# KiCad board Si5351ABreakout_panel.kicad_pcb (continued)
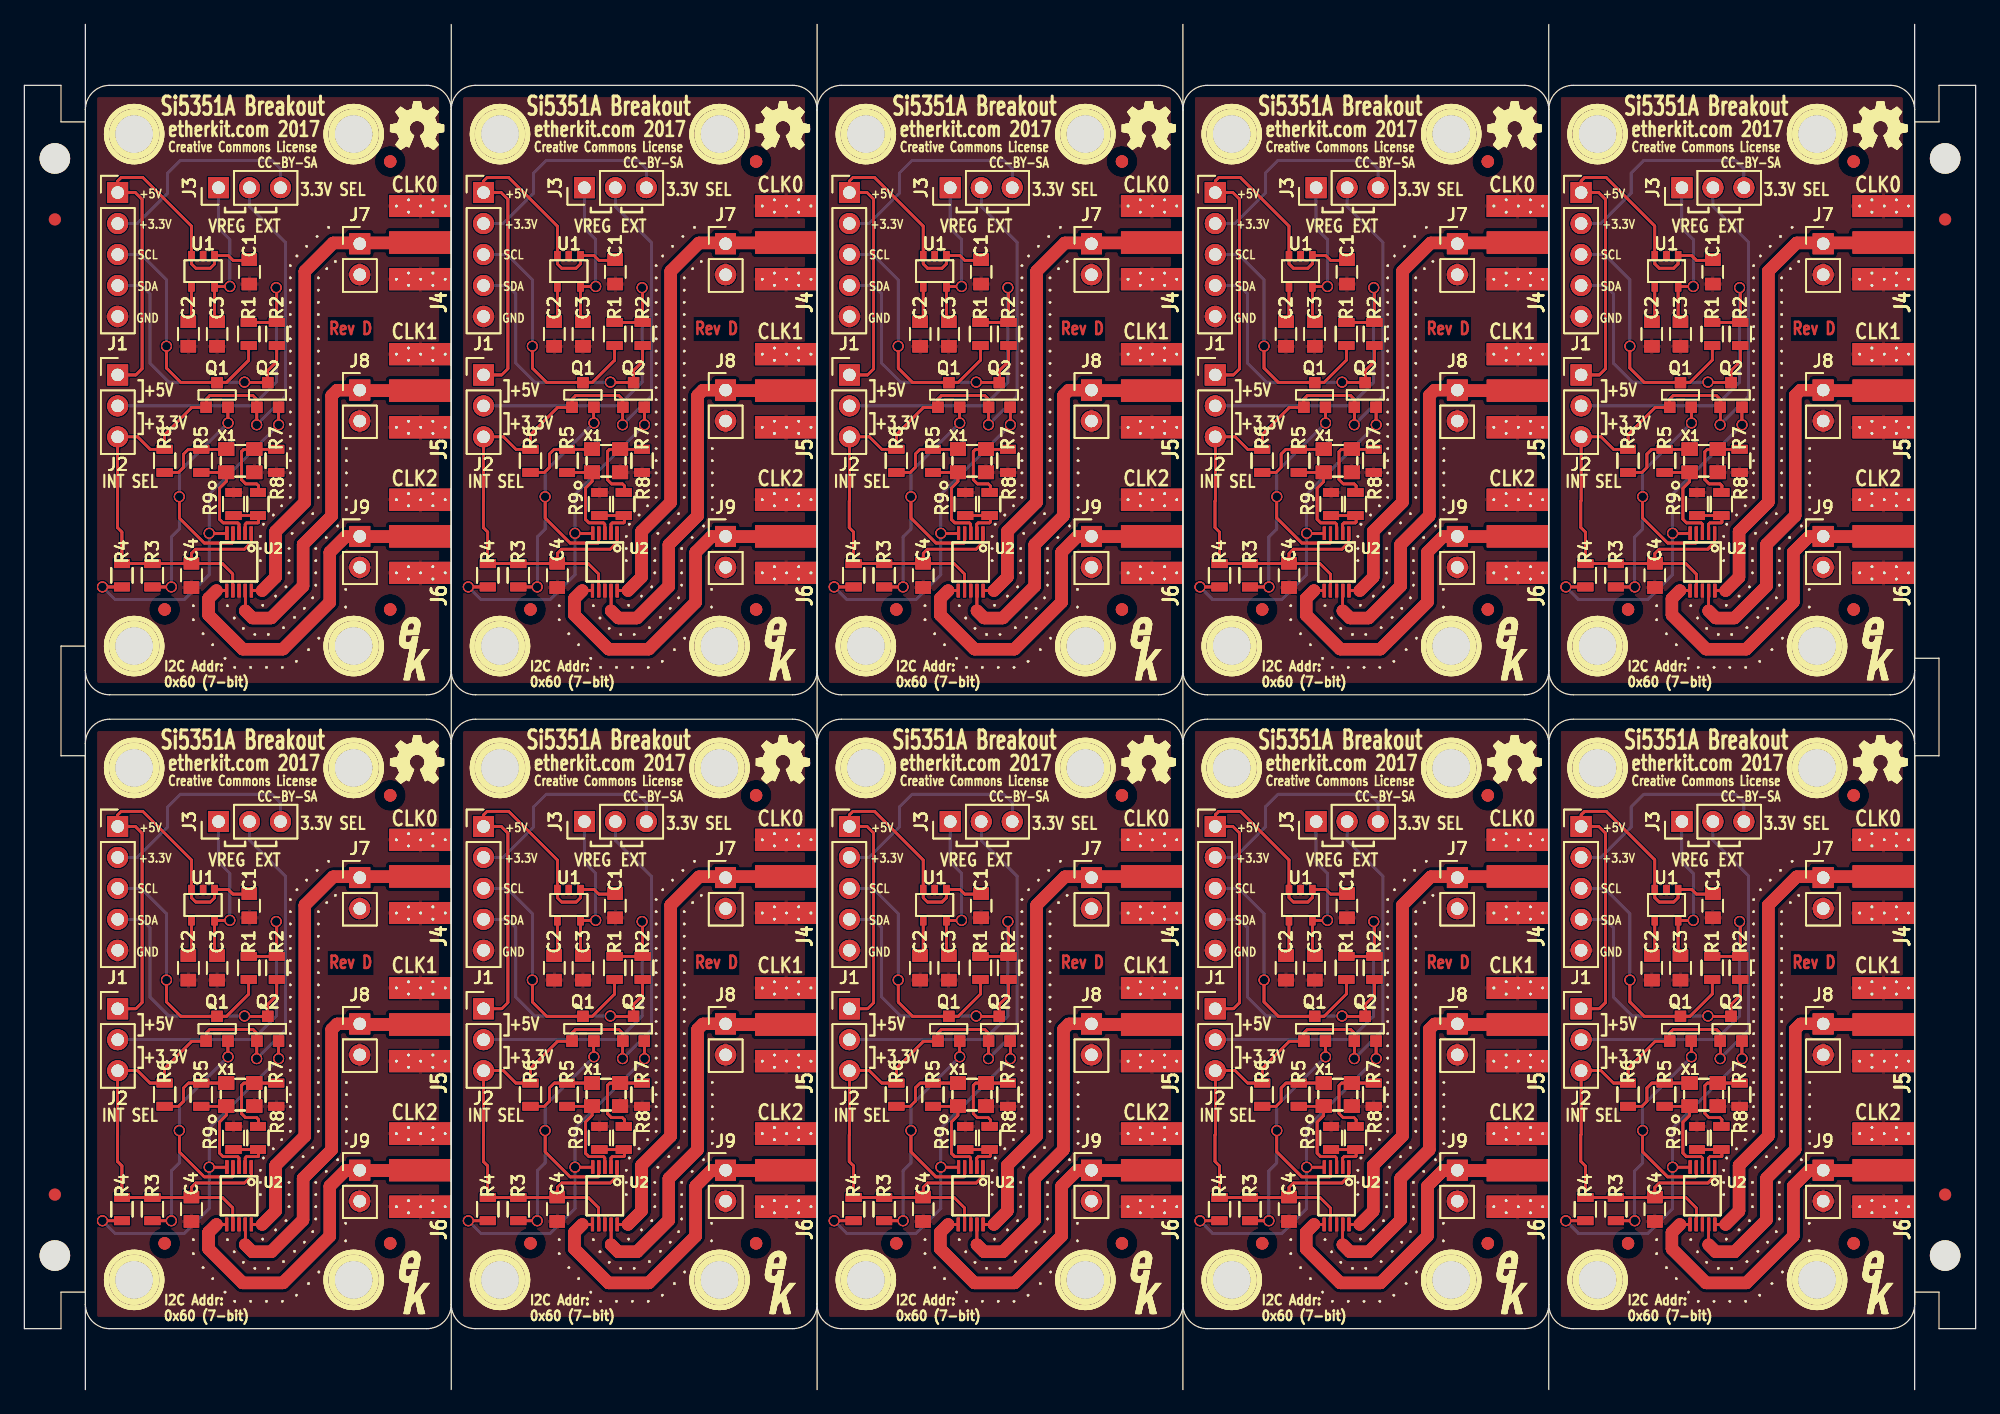
[diagram p0: board, top side]
## Placement (name value [footprint] x y rotation side) (continued)
VIA#3598  VAL**  [VIA]  113.9 15 0 top
VIA#3599  VAL**  [VIA]  112.85 19.1 0 top
VIA#3600  VAL**  [VIA]  112.85 19.1 0 top
VIA#3601  VAL**  [VIA]  112.85 19.1 0 top
VIA#3602  VAL**  [VIA]  113.65 19.85 0 top
VIA#3603  VAL**  [VIA]  113.65 19.85 0 top
VIA#3604  VAL**  [VIA]  113.65 19.85 0 top
VIA#3605  VAL**  [VIA]  112.85 19.1 0 top
VIA#3606  VAL**  [VIA]  113.65 19.85 0 top
VIA#3607  VAL**  [VIA]  113.9 17 0 top
VIA#3608  VAL**  [VIA]  113.9 17 0 top
VIA#3609  VAL**  [VIA]  114.75 17.9 0 top
VIA#3610  VAL**  [VIA]  113.9 17 0 top
VIA#3611  VAL**  [VIA]  114.75 17.9 0 top
VIA#3612  VAL**  [VIA]  114.75 17.9 0 top
VIA#3613  VAL**  [VIA]  114.75 17.9 0 top
VIA#3614  VAL**  [VIA]  113.9 17 0 top
VIA#3615  VAL**  [VIA]  114.1 21.2 0 top
VIA#3616  VAL**  [VIA]  114.1 21.2 0 top
VIA#3617  VAL**  [VIA]  114.1 21.2 0 top
VIA#3618  VAL**  [VIA]  114.1 21.2 0 top
VIA#3619  VAL**  [VIA]  111.8 21.2 0 top
VIA#3620  VAL**  [VIA]  113.9 14 0 top
VIA#3621  VAL**  [VIA]  113.9 14 0 top
VIA#3622  VAL**  [VIA]  113.9 15 0 top
VIA#3623  VAL**  [VIA]  113.9 15 0 top
VIA#3624  VAL**  [VIA]  113.9 14 0 top
VIA#3625  VAL**  [VIA]  113.9 14 0 top
VIA#3626  VAL**  [VIA]  116.35 13.65 0 top
VIA#3627  VAL**  [VIA]  116.35 13.65 0 top
VIA#3628  VAL**  [VIA]  116.35 13.65 0 top
VIA#3629  VAL**  [VIA]  116.35 13.65 0 top
VIA#3630  VAL**  [VIA]  114.1 27.2 0 top
VIA#3631  VAL**  [VIA]  114.1 28.2 0 top
VIA#3632  VAL**  [VIA]  114.1 28.2 0 top
VIA#3633  VAL**  [VIA]  114.1 28.2 0 top
VIA#3634  VAL**  [VIA]  114.1 28.2 0 top
VIA#3635  VAL**  [VIA]  114.1 27.2 0 top
VIA#3636  VAL**  [VIA]  114.1 27.2 0 top
VIA#3637  VAL**  [VIA]  114.1 27.2 0 top
VIA#3638  VAL**  [VIA]  114.1 26.2 0 top
VIA#3639  VAL**  [VIA]  114.1 26.2 0 top
VIA#3640  VAL**  [VIA]  114.1 26.2 0 top
VIA#3641  VAL**  [VIA]  114.1 26.2 0 top
VIA#3642  VAL**  [VIA]  116.35 12.2 0 top
VIA#3643  VAL**  [VIA]  116.35 12.2 0 top
VIA#3644  VAL**  [VIA]  116.35 12.2 0 top
VIA#3645  VAL**  [VIA]  116.35 12.2 0 top
VIA#3646  VAL**  [VIA]  113.65 12.95 0 top
VIA#3647  VAL**  [VIA]  113.65 12.95 0 top
VIA#3648  VAL**  [VIA]  112.95 12.1 0 top
VIA#3649  VAL**  [VIA]  113.65 12.95 0 top
VIA#3650  VAL**  [VIA]  113.65 12.95 0 top
VIA#3651  VAL**  [VIA]  112.95 12.1 0 top
VIA#3652  VAL**  [VIA]  112.95 12.1 0 top
VIA#3653  VAL**  [VIA]  112.15 11.35 0 top
VIA#3654  VAL**  [VIA]  112.95 12.1 0 top
VIA#3655  VAL**  [VIA]  113.3 8.7 0 top
VIA#3656  VAL**  [VIA]  114.15 9.65 0 top
VIA#3657  VAL**  [VIA]  113.3 8.7 0 top
VIA#3658  VAL**  [VIA]  114.15 9.65 0 top
VIA#3659  VAL**  [VIA]  113.3 8.7 0 top
VIA#3660  VAL**  [VIA]  114.15 9.65 0 top
VIA#3661  VAL**  [VIA]  113.3 8.7 0 top
VIA#3662  VAL**  [VIA]  114.15 9.65 0 top
VIA#3663  VAL**  [VIA]  111.8 28.2 0 top
VIA#3664  VAL**  [VIA]  111.8 29.2 0 top
VIA#3665  VAL**  [VIA]  111.8 28.2 0 top
VIA#3666  VAL**  [VIA]  111.8 29.2 0 top
VIA#3667  VAL**  [VIA]  111.8 28.2 0 top
VIA#3668  VAL**  [VIA]  111.8 29.2 0 top
VIA#3669  VAL**  [VIA]  111.8 26.2 0 top
VIA#3670  VAL**  [VIA]  111.8 27.2 0 top
VIA#3671  VAL**  [VIA]  111.8 26.2 0 top
VIA#3672  VAL**  [VIA]  111.8 27.2 0 top
VIA#3673  VAL**  [VIA]  111.8 27.2 0 top
VIA#3674  VAL**  [VIA]  111.8 26.2 0 top
VIA#3675  VAL**  [VIA]  111.8 30.2 0 top
VIA#3676  VAL**  [VIA]  111.8 30.2 0 top
VIA#3677  VAL**  [VIA]  111.8 30.2 0 top
VIA#3678  VAL**  [VIA]  83.65 19.85 0 top
VIA#3679  VAL**  [VIA]  82.85 19.1 0 top
VIA#3680  VAL**  [VIA]  82.85 19.1 0 top
VIA#3681  VAL**  [VIA]  83.65 19.85 0 top
VIA#3682  VAL**  [VIA]  83.65 19.85 0 top
VIA#3683  VAL**  [VIA]  82.85 19.1 0 top
VIA#3684  VAL**  [VIA]  82.85 19.1 0 top
VIA#3685  VAL**  [VIA]  83.65 19.85 0 top
VIA#3686  VAL**  [VIA]  84.15 9.65 0 top
VIA#3687  VAL**  [VIA]  84.15 9.65 0 top
VIA#3688  VAL**  [VIA]  84.15 9.65 0 top
VIA#3689  VAL**  [VIA]  83.3 8.7 0 top
VIA#3690  VAL**  [VIA]  83.3 8.7 0 top
VIA#3691  VAL**  [VIA]  83.3 8.7 0 top
VIA#3692  VAL**  [VIA]  84.15 9.65 0 top
VIA#3693  VAL**  [VIA]  83.3 8.7 0 top
VIA#3694  VAL**  [VIA]  83.9 15 0 top
VIA#3695  VAL**  [VIA]  83.9 15 0 top
VIA#3696  VAL**  [VIA]  83.9 14 0 top
VIA#3697  VAL**  [VIA]  83.9 14 0 top
VIA#3698  VAL**  [VIA]  83.9 14 0 top
VIA#3699  VAL**  [VIA]  83.9 14 0 top
VIA#3700  VAL**  [VIA]  85.7 18.85 0 top
VIA#3701  VAL**  [VIA]  85.7 18.85 0 top
VIA#3702  VAL**  [VIA]  84.75 17.9 0 top
VIA#3703  VAL**  [VIA]  85.7 18.85 0 top
VIA#3704  VAL**  [VIA]  85.7 18.85 0 top
VIA#3705  VAL**  [VIA]  86.35 13.65 0 top
VIA#3706  VAL**  [VIA]  86.35 13.65 0 top
VIA#3707  VAL**  [VIA]  86.35 12.2 0 top
VIA#3708  VAL**  [VIA]  86.35 12.2 0 top
VIA#3709  VAL**  [VIA]  86.35 12.2 0 top
VIA#3710  VAL**  [VIA]  86.35 13.65 0 top
VIA#3711  VAL**  [VIA]  86.35 12.2 0 top
VIA#3712  VAL**  [VIA]  83.65 12.95 0 top
VIA#3713  VAL**  [VIA]  83.65 12.95 0 top
VIA#3714  VAL**  [VIA]  86.35 13.65 0 top
VIA#3715  VAL**  [VIA]  83.65 12.95 0 top
VIA#3716  VAL**  [VIA]  83.65 12.95 0 top
VIA#3717  VAL**  [VIA]  83.9 15 0 top
VIA#3718  VAL**  [VIA]  83.9 16 0 top
VIA#3719  VAL**  [VIA]  83.9 16 0 top
VIA#3720  VAL**  [VIA]  83.9 16 0 top
VIA#3721  VAL**  [VIA]  83.9 15 0 top
VIA#3722  VAL**  [VIA]  83.9 16 0 top
VIA#3723  VAL**  [VIA]  84.75 17.9 0 top
VIA#3724  VAL**  [VIA]  83.9 17 0 top
VIA#3725  VAL**  [VIA]  84.75 17.9 0 top
VIA#3726  VAL**  [VIA]  83.9 17 0 top
VIA#3727  VAL**  [VIA]  83.9 17 0 top
VIA#3728  VAL**  [VIA]  84.75 17.9 0 top
VIA#3729  VAL**  [VIA]  83.9 17 0 top
VIA#3730  VAL**  [VIA]  82.95 12.1 0 top
VIA#3731  VAL**  [VIA]  82.15 11.35 0 top
VIA#3732  VAL**  [VIA]  82.95 12.1 0 top
VIA#3733  VAL**  [VIA]  82.95 12.1 0 top
VIA#3734  VAL**  [VIA]  82.95 12.1 0 top
VIA#3735  VAL**  [VIA]  84.1 22.2 0 top
VIA#3736  VAL**  [VIA]  84.1 22.2 0 top
VIA#3737  VAL**  [VIA]  84.1 22.2 0 top
VIA#3738  VAL**  [VIA]  84.1 23.2 0 top
VIA#3739  VAL**  [VIA]  84.1 22.2 0 top
VIA#3740  VAL**  [VIA]  86.4 20.2 0 top
VIA#3741  VAL**  [VIA]  86.4 20.2 0 top
VIA#3742  VAL**  [VIA]  86.4 21.2 0 top
VIA#3743  VAL**  [VIA]  86.4 20.2 0 top
VIA#3744  VAL**  [VIA]  86.4 21.2 0 top
VIA#3745  VAL**  [VIA]  86.4 20.2 0 top
VIA#3746  VAL**  [VIA]  86.4 21.2 0 top
VIA#3747  VAL**  [VIA]  86.4 22.2 0 top
VIA#3748  VAL**  [VIA]  86.4 21.2 0 top
VIA#3749  VAL**  [VIA]  86.4 22.2 0 top
VIA#3750  VAL**  [VIA]  86.4 22.2 0 top
VIA#3751  VAL**  [VIA]  86.4 22.2 0 top
VIA#3752  VAL**  [VIA]  84.1 21.2 0 top
VIA#3753  VAL**  [VIA]  84.1 21.2 0 top
VIA#3754  VAL**  [VIA]  84.1 21.2 0 top
VIA#3755  VAL**  [VIA]  84.1 21.2 0 top
VIA#3756  VAL**  [VIA]  86.4 23.2 0 top
VIA#3757  VAL**  [VIA]  86.4 24.2 0 top
VIA#3758  VAL**  [VIA]  86.4 24.2 0 top
VIA#3759  VAL**  [VIA]  86.4 23.2 0 top
VIA#3760  VAL**  [VIA]  86.4 23.2 0 top
VIA#3761  VAL**  [VIA]  86.4 24.2 0 top
VIA#3762  VAL**  [VIA]  86.4 23.2 0 top
VIA#3763  VAL**  [VIA]  86.4 25.2 0 top
VIA#3764  VAL**  [VIA]  86.4 25.2 0 top
VIA#3765  VAL**  [VIA]  86.4 24.2 0 top
VIA#3766  VAL**  [VIA]  86.4 25.2 0 top
VIA#3767  VAL**  [VIA]  86.4 25.2 0 top
VIA#3768  VAL**  [VIA]  84.1 24.2 0 top
VIA#3769  VAL**  [VIA]  84.1 24.2 0 top
VIA#3770  VAL**  [VIA]  84.1 23.2 0 top
VIA#3771  VAL**  [VIA]  84.1 23.2 0 top
VIA#3772  VAL**  [VIA]  84.1 23.2 0 top
VIA#3773  VAL**  [VIA]  84.1 25.2 0 top
VIA#3774  VAL**  [VIA]  84.1 25.2 0 top
VIA#3775  VAL**  [VIA]  84.1 25.2 0 top
VIA#3776  VAL**  [VIA]  84.1 25.2 0 top
VIA#3777  VAL**  [VIA]  84.1 24.2 0 top
VIA#3778  VAL**  [VIA]  84.1 24.2 0 top
VIA#3779  VAL**  [VIA]  84.1 26.2 0 top
VIA#3780  VAL**  [VIA]  84.1 26.2 0 top
VIA#3781  VAL**  [VIA]  84.1 26.2 0 top
VIA#3782  VAL**  [VIA]  84.1 26.2 0 top
VIA#3783  VAL**  [VIA]  84.1 29.2 0 top
VIA#3784  VAL**  [VIA]  84.1 29.2 0 top
VIA#3785  VAL**  [VIA]  84.1 30.2 0 top
VIA#3786  VAL**  [VIA]  84.1 29.2 0 top
VIA#3787  VAL**  [VIA]  84.1 29.2 0 top
VIA#3788  VAL**  [VIA]  84.1 27.2 0 top
VIA#3789  VAL**  [VIA]  84.1 27.2 0 top
VIA#3790  VAL**  [VIA]  84.1 28.2 0 top
VIA#3791  VAL**  [VIA]  84.1 28.2 0 top
VIA#3792  VAL**  [VIA]  84.1 28.2 0 top
VIA#3793  VAL**  [VIA]  84.1 28.2 0 top
VIA#3794  VAL**  [VIA]  84.1 27.2 0 top
VIA#3795  VAL**  [VIA]  84.1 27.2 0 top
VIA#3796  VAL**  [VIA]  84.1 30.2 0 top
VIA#3797  VAL**  [VIA]  84.1 30.2 0 top
VIA#3798  VAL**  [VIA]  84.1 30.2 0 top
VIA#3799  VAL**  [VIA]  81.8 30.2 0 top
VIA#3800  VAL**  [VIA]  81.8 30.2 0 top
X1  ASTX-H11-25.000MHZ-T or ECS-250-8-30B-CKM  [ASTX-H11-25.000MHZ-T]  17.7 76.2 0 top
X1#2  ASTX-H11-25.000MHZ-T or ECS-250-8-30B-CKM  [ASTX-H11-25.000MHZ-T]  47.7 76.2 0 top
X1#3  ASTX-H11-25.000MHZ-T or ECS-250-8-30B-CKM  [ASTX-H11-25.000MHZ-T]  77.7 76.2 0 top
X1#4  ASTX-H11-25.000MHZ-T or ECS-250-8-30B-CKM  [ASTX-H11-25.000MHZ-T]  107.7 76.2 0 top
X1#5  ASTX-H11-25.000MHZ-T or ECS-250-8-30B-CKM  [ASTX-H11-25.000MHZ-T]  137.7 76.2 0 top
X1#6  ASTX-H11-25.000MHZ-T or ECS-250-8-30B-CKM  [ASTX-H11-25.000MHZ-T]  17.7 76.2 0 top
X1#7  ASTX-H11-25.000MHZ-T or ECS-250-8-30B-CKM  [ASTX-H11-25.000MHZ-T]  47.7 76.2 0 top
X1#8  ASTX-H11-25.000MHZ-T or ECS-250-8-30B-CKM  [ASTX-H11-25.000MHZ-T]  77.7 76.2 0 top
X1#9  ASTX-H11-25.000MHZ-T or ECS-250-8-30B-CKM  [ASTX-H11-25.000MHZ-T]  107.7 76.2 0 top
X1#10  ASTX-H11-25.000MHZ-T or ECS-250-8-30B-CKM  [ASTX-H11-25.000MHZ-T]  137.7 76.2 0 top
X1#11  ASTX-H11-25.000MHZ-T or ECS-250-8-30B-CKM  [ASTX-H11-25.000MHZ-T]  137.7 76.2 0 top
X1#12  ASTX-H11-25.000MHZ-T or ECS-250-8-30B-CKM  [ASTX-H11-25.000MHZ-T]  107.7 76.2 0 top
X1#13  ASTX-H11-25.000MHZ-T or ECS-250-8-30B-CKM  [ASTX-H11-25.000MHZ-T]  77.7 76.2 0 top
X1#14  ASTX-H11-25.000MHZ-T or ECS-250-8-30B-CKM  [ASTX-H11-25.000MHZ-T]  47.7 76.2 0 top
X1#15  ASTX-H11-25.000MHZ-T or ECS-250-8-30B-CKM  [ASTX-H11-25.000MHZ-T]  17.7 76.2 0 top
X1#16  ASTX-H11-25.000MHZ-T or ECS-250-8-30B-CKM  [ASTX-H11-25.000MHZ-T]  17.7 76.2 0 top
X1#17  ASTX-H11-25.000MHZ-T or ECS-250-8-30B-CKM  [ASTX-H11-25.000MHZ-T]  47.7 76.2 0 top
X1#18  ASTX-H11-25.000MHZ-T or ECS-250-8-30B-CKM  [ASTX-H11-25.000MHZ-T]  77.7 76.2 0 top
X1#19  ASTX-H11-25.000MHZ-T or ECS-250-8-30B-CKM  [ASTX-H11-25.000MHZ-T]  107.7 76.2 0 top
X1#20  ASTX-H11-25.000MHZ-T or ECS-250-8-30B-CKM  [ASTX-H11-25.000MHZ-T]  137.7 76.2 0 top
X1#21  ASTX-H11-25.000MHZ-T or ECS-250-8-30B-CKM  [ASTX-H11-25.000MHZ-T]  77.7 24.2 0 top
X1#22  ASTX-H11-25.000MHZ-T or ECS-250-8-30B-CKM  [ASTX-H11-25.000MHZ-T]  17.7 24.2 0 top
X1#23  ASTX-H11-25.000MHZ-T or ECS-250-8-30B-CKM  [ASTX-H11-25.000MHZ-T]  17.7 24.2 0 top
X1#24  ASTX-H11-25.000MHZ-T or ECS-250-8-30B-CKM  [ASTX-H11-25.000MHZ-T]  17.7 24.2 0 top
X1#25  ASTX-H11-25.000MHZ-T or ECS-250-8-30B-CKM  [ASTX-H11-25.000MHZ-T]  17.7 24.2 0 top
X1#26  ASTX-H11-25.000MHZ-T or ECS-250-8-30B-CKM  [ASTX-H11-25.000MHZ-T]  77.7 24.2 0 top
X1#27  ASTX-H11-25.000MHZ-T or ECS-250-8-30B-CKM  [ASTX-H11-25.000MHZ-T]  77.7 24.2 0 top
X1#28  ASTX-H11-25.000MHZ-T or ECS-250-8-30B-CKM  [ASTX-H11-25.000MHZ-T]  77.7 24.2 0 top
X1#29  ASTX-H11-25.000MHZ-T or ECS-250-8-30B-CKM  [ASTX-H11-25.000MHZ-T]  47.7 24.2 0 top
X1#30  ASTX-H11-25.000MHZ-T or ECS-250-8-30B-CKM  [ASTX-H11-25.000MHZ-T]  47.7 24.2 0 top
X1#31  ASTX-H11-25.000MHZ-T or ECS-250-8-30B-CKM  [ASTX-H11-25.000MHZ-T]  47.7 24.2 0 top
X1#32  ASTX-H11-25.000MHZ-T or ECS-250-8-30B-CKM  [ASTX-H11-25.000MHZ-T]  47.7 24.2 0 top
X1#33  ASTX-H11-25.000MHZ-T or ECS-250-8-30B-CKM  [ASTX-H11-25.000MHZ-T]  137.7 24.2 0 top
X1#34  ASTX-H11-25.000MHZ-T or ECS-250-8-30B-CKM  [ASTX-H11-25.000MHZ-T]  137.7 24.2 0 top
X1#35  ASTX-H11-25.000MHZ-T or ECS-250-8-30B-CKM  [ASTX-H11-25.000MHZ-T]  137.7 24.2 0 top
X1#36  ASTX-H11-25.000MHZ-T or ECS-250-8-30B-CKM  [ASTX-H11-25.000MHZ-T]  137.7 24.2 0 top
X1#37  ASTX-H11-25.000MHZ-T or ECS-250-8-30B-CKM  [ASTX-H11-25.000MHZ-T]  107.7 24.2 0 top
X1#38  ASTX-H11-25.000MHZ-T or ECS-250-8-30B-CKM  [ASTX-H11-25.000MHZ-T]  107.7 24.2 0 top
X1#39  ASTX-H11-25.000MHZ-T or ECS-250-8-30B-CKM  [ASTX-H11-25.000MHZ-T]  107.7 24.2 0 top
X1#40  ASTX-H11-25.000MHZ-T or ECS-250-8-30B-CKM  [ASTX-H11-25.000MHZ-T]  107.7 24.2 0 top

## Footprints (pads in the part's own frame, mm; a bottom-side part is the same pattern mirrored in y, then rotated)
ASTX-H11-25.000MHZ-T
  rect 1.3x1.1 smd: 1(-1.15,-0.95) 2(1.15,-0.95) 3(1.15,0.95) 4(-1.15,0.95)
C_0805
  rect 1x1.25 smd: 1(-1,0) 2(1,0)
Fiducial_1mm_Dia_2.54mm_Outer_CopperTop
  round 1 smd: ~(0,0)
MOUNTINGHOLE
  round 4.064 hole 3.048: 1(0,0)
MountingHole_2.5mm
  round 2.5 hole 2.5 unplated: (0,0)
MSOP-10
  rect 0.25x1.1 smd: 1(-1,-2.35) 2(-0.5,-2.35) 3(0,-2.35) 4(0.5,-2.35) 5(1,-2.35) 6(1.016,2.35) 7(0.508,2.35) 8(0,2.35) 9(-0.508,2.35) 10(-1.016,2.35)
Pin_Header_Straight_1x02_Pitch2.54mm
  rect 1.7x1.7 hole 1: 1(0,0)
  oval 1.7x1.7 hole 1: 2(0,-2.54)
Pin_Header_Straight_1x03_Pitch2.54mm
  rect 1.7x1.7 hole 1: 1(0,0)
  oval 1.7x1.7 hole 1: 2(0,-2.54) 3(0,-5.08)
Pin_Header_Straight_1x05_Pitch2.54mm
  rect 1.7x1.7 hole 1: 1(0,0)
  oval 1.7x1.7 hole 1: 2(0,-2.54) 3(0,-5.08) 4(0,-7.62) 5(0,-10.16)
R_0805
  rect 0.7x1.3 smd: 1(-0.95,0) 2(0.95,0)
SMA-ENDLAUNCH
  rect 1.8x5.08 smd: 1(0,2.54) 2(-3,2.54) 2(3,2.54)
  round 0.3 hole 0.2: 2(-3.5,3.5) 2(-3.5,1.5) 2(-3,4.5) 2(-3,2.5) 2(-3,0.5) 2(-2.5,3.5) 2(-2.5,1.5) 2(2.5,3.5) 2(2.5,1.5) 2(3,4.5) 2(3,2.5) 2(3,0.5) 2(3.5,3.5) 2(3.5,1.5)
  rect 1.8x5.08 smd far side: 2(-3,2.54) 2(3,2.54)
SOT23-2N7002
  rect 0.914x0.914 smd: 1(-0.889,1.016) 2(0.889,1.016) 3(0,-1.016)
SOT23-5
  rect 0.508x0.762 smd: 1(-0.953,-1.27) 2(0,-1.27) 3(0.953,-1.27) 4(0.953,1.27) 5(-0.953,1.27)
VIA
  round 0.2 hole 0.15: (0,0)

## Nets
+3.3V: J1.2 J1#2.2 J1#3.2 J1#4.2 J1#5.2 J1#6.2 J1#7.2 J1#8.2 J1#9.2 J1#10.2 J1#11.2 J1#12.2 J1#13.2 J1#14.2 J1#15.2 J1#16.2 J1#17.2 J1#18.2 J1#19.2 J1#20.2 J1#21.2 J1#22.2 J1#23.2 J1#24.2 J1#25.2 J1#26.2 J1#27.2 J1#28.2 J1#29.2 J1#30.2 J1#31.2 J1#32.2 J1#33.2 J1#34.2 J1#35.2 J1#36.2 J1#37.2 J1#38.2 J1#39.2 J1#40.2 J3.3 J3#2.3 J3#3.3 J3#4.3 J3#5.3 J3#6.3 J3#7.3 J3#8.3 J3#9.3 J3#10.3 J3#11.3 J3#12.3 J3#13.3 J3#14.3 J3#15.3 J3#16.3 J3#17.3 J3#18.3 J3#19.3 J3#20.3 J3#21.3 J3#22.3 J3#23.3 J3#24.3 J3#25.3 J3#26.3 J3#27.3 J3#28.3 J3#29.3 J3#30.3 J3#31.3 J3#32.3 J3#33.3 J3#34.3 J3#35.3 J3#36.3 J3#37.3 J3#38.3 J3#39.3 J3#40.3
+3.3VREG: C4.1 C4#2.1 C4#3.1 C4#4.1 C4#5.1 C4#6.1 C4#7.1 C4#8.1 C4#9.1 C4#10.1 C4#11.1 C4#12.1 C4#13.1 C4#14.1 C4#15.1 C4#16.1 C4#17.1 C4#18.1 C4#19.1 C4#20.1 C4#21.1 C4#22.1 C4#23.1 C4#24.1 C4#25.1 C4#26.1 C4#27.1 C4#28.1 C4#29.1 C4#30.1 C4#31.1 C4#32.1 C4#33.1 C4#34.1 C4#35.1 C4#36.1 C4#37.1 C4#38.1 C4#39.1 C4#40.1 J2.3 J2#2.3 J2#3.3 J2#4.3 J2#5.3 J2#6.3 J2#7.3 J2#8.3 J2#9.3 J2#10.3 J2#11.3 J2#12.3 J2#13.3 J2#14.3 J2#15.3 J2#16.3 J2#17.3 J2#18.3 J2#19.3 J2#20.3 J2#21.3 J2#22.3 J2#23.3 J2#24.3 J2#25.3 J2#26.3 J2#27.3 J2#28.3 J2#29.3 J2#30.3 J2#31.3 J2#32.3 J2#33.3 J2#34.3 J2#35.3 J2#36.3 J2#37.3 J2#38.3 J2#39.3 J2#40.3 J3.2 J3#2.2 J3#3.2 J3#4.2 J3#5.2 J3#6.2 J3#7.2 J3#8.2 J3#9.2 J3#10.2 J3#11.2 J3#12.2 J3#13.2 J3#14.2 J3#15.2 J3#16.2 J3#17.2 J3#18.2 J3#19.2 J3#20.2 J3#21.2 J3#22.2 J3#23.2 J3#24.2 J3#25.2 J3#26.2 J3#27.2 J3#28.2 J3#29.2 J3#30.2 J3#31.2 J3#32.2 J3#33.2 J3#34.2 J3#35.2 J3#36.2 J3#37.2 J3#38.2 J3#39.2 J3#40.2 Q1.2 Q1#2.2 Q1#3.2 Q1#4.2 Q1#5.2 Q1#6.2 Q1#7.2 Q1#8.2 Q1#9.2 Q1#10.2 Q1#11.2 Q1#12.2 Q1#13.2 Q1#14.2 Q1#15.2 Q1#16.2 Q1#17.2 Q1#18.2 Q1#19.2 Q1#20.2 Q1#21.2 Q1#22.2 Q1#23.2 Q1#24.2 Q1#25.2 Q1#26.2 Q1#27.2 Q1#28.2 Q1#29.2 Q1#30.2 Q1#31.2 Q1#32.2 Q1#33.2 Q1#34.2 Q1#35.2 Q1#36.2 Q1#37.2 Q1#38.2 Q1#39.2 Q1#40.2 Q2.2 Q2#2.2 Q2#3.2 Q2#4.2 Q2#5.2 Q2#6.2 Q2#7.2 Q2#8.2 Q2#9.2 Q2#10.2 Q2#11.2 Q2#12.2 Q2#13.2 Q2#14.2 Q2#15.2 Q2#16.2 Q2#17.2 Q2#18.2 Q2#19.2 Q2#20.2 Q2#21.2 Q2#22.2 Q2#23.2 Q2#24.2 Q2#25.2 Q2#26.2 Q2#27.2 Q2#28.2 Q2#29.2 Q2#30.2 Q2#31.2 Q2#32.2 Q2#33.2 Q2#34.2 Q2#35.2 Q2#36.2 Q2#37.2 Q2#38.2 Q2#39.2 Q2#40.2 R3.1 R3#2.1 R3#3.1 R3#4.1 R3#5.1 R3#6.1 R3#7.1 R3#8.1 R3#9.1 R3#10.1 R3#11.1 R3#12.1 R3#13.1 R3#14.1 R3#15.1 R3#16.1 R3#17.1 R3#18.1 R3#19.1 R3#20.1 R3#21.1 R3#22.1 R3#23.1 R3#24.1 R3#25.1 R3#26.1 R3#27.1 R3#28.1 R3#29.1 R3#30.1 R3#31.1 R3#32.1 R3#33.1 R3#34.1 R3#35.1 R3#36.1 R3#37.1 R3#38.1 R3#39.1 R3#40.1 R4.1 R4#2.1 R4#3.1 R4#4.1 R4#5.1 R4#6.1 R4#7.1 R4#8.1 R4#9.1 R4#10.1 R4#11.1 R4#12.1 R4#13.1 R4#14.1 R4#15.1 R4#16.1 R4#17.1 R4#18.1 R4#19.1 R4#20.1 R4#21.1 R4#22.1 R4#23.1 R4#24.1 R4#25.1 R4#26.1 R4#27.1 R4#28.1 R4#29.1 R4#30.1 R4#31.1 R4#32.1 R4#33.1 R4#34.1 R4#35.1 R4#36.1 R4#37.1 R4#38.1 R4#39.1 R4#40.1 R6.1 R6#2.1 R6#3.1 R6#4.1 R6#5.1 R6#6.1 R6#7.1 R6#8.1 R6#9.1 R6#10.1 R6#11.1 R6#12.1 R6#13.1 R6#14.1 R6#15.1 R6#16.1 R6#17.1 R6#18.1 R6#19.1 R6#20.1 R6#21.1 R6#22.1 R6#23.1 R6#24.1 R6#25.1 R6#26.1 R6#27.1 R6#28.1 R6#29.1 R6#30.1 R6#31.1 R6#32.1 R6#33.1 R6#34.1 R6#35.1 R6#36.1 R6#37.1 R6#38.1 R6#39.1 R6#40.1 U2.1 U2.7 U2#2.1 U2#2.7 U2#3.1 U2#3.7 U2#4.1 U2#4.7 U2#5.1 U2#5.7 U2#6.1 U2#6.7 U2#7.1 U2#7.7 U2#8.1 U2#8.7 U2#9.1 U2#9.7 U2#10.1 U2#10.7 U2#11.1 U2#11.7 U2#12.1 U2#12.7 U2#13.1 U2#13.7 U2#14.1 U2#14.7 U2#15.1 U2#15.7 U2#16.1 U2#16.7 U2#17.1 U2#17.7 U2#18.1 U2#18.7 U2#19.1 U2#19.7 U2#20.1 U2#20.7 U2#21.1 U2#21.7 U2#22.1 U2#22.7 U2#23.1 U2#23.7 U2#24.1 U2#24.7 U2#25.1 U2#25.7 U2#26.1 U2#26.7 U2#27.1 U2#27.7 U2#28.1 U2#28.7 U2#29.1 U2#29.7 U2#30.1 U2#30.7 U2#31.1 U2#31.7 U2#32.1 U2#32.7 U2#33.1 U2#33.7 U2#34.1 U2#34.7 U2#35.1 U2#35.7 U2#36.1 U2#36.7 U2#37.1 U2#37.7 U2#38.1 U2#38.7 U2#39.1 U2#39.7 U2#40.1 U2#40.7
+5V: C1.1 C1#2.1 C1#3.1 C1#4.1 C1#5.1 C1#6.1 C1#7.1 C1#8.1 C1#9.1 C1#10.1 C1#11.1 C1#12.1 C1#13.1 C1#14.1 C1#15.1 C1#16.1 C1#17.1 C1#18.1 C1#19.1 C1#20.1 C1#21.1 C1#22.1 C1#23.1 C1#24.1 C1#25.1 C1#26.1 C1#27.1 C1#28.1 C1#29.1 C1#30.1 C1#31.1 C1#32.1 C1#33.1 C1#34.1 C1#35.1 C1#36.1 C1#37.1 C1#38.1 C1#39.1 C1#40.1 J1.1 J1#2.1 J1#3.1 J1#4.1 J1#5.1 J1#6.1 J1#7.1 J1#8.1 J1#9.1 J1#10.1 J1#11.1 J1#12.1 J1#13.1 J1#14.1 J1#15.1 J1#16.1 J1#17.1 J1#18.1 J1#19.1 J1#20.1 J1#21.1 J1#22.1 J1#23.1 J1#24.1 J1#25.1 J1#26.1 J1#27.1 J1#28.1 J1#29.1 J1#30.1 J1#31.1 J1#32.1 J1#33.1 J1#34.1 J1#35.1 J1#36.1 J1#37.1 J1#38.1 J1#39.1 J1#40.1 J2.1 J2#2.1 J2#3.1 J2#4.1 J2#5.1 J2#6.1 J2#7.1 J2#8.1 J2#9.1 J2#10.1 J2#11.1 J2#12.1 J2#13.1 J2#14.1 J2#15.1 J2#16.1 J2#17.1 J2#18.1 J2#19.1 J2#20.1 J2#21.1 J2#22.1 J2#23.1 J2#24.1 J2#25.1 J2#26.1 J2#27.1 J2#28.1 J2#29.1 J2#30.1 J2#31.1 J2#32.1 J2#33.1 J2#34.1 J2#35.1 J2#36.1 J2#37.1 J2#38.1 J2#39.1 J2#40.1 U1.1 U1.3 U1#2.1 U1#2.3 U1#3.1 U1#3.3 U1#4.1 U1#4.3 U1#5.1 U1#5.3 U1#6.1 U1#6.3 U1#7.1 U1#7.3 U1#8.1 U1#8.3 U1#9.1 U1#9.3 U1#10.1 U1#10.3 U1#11.1 U1#11.3 U1#12.1 U1#12.3 U1#13.1 U1#13.3 U1#14.1 U1#14.3 U1#15.1 U1#15.3 U1#16.1 U1#16.3 U1#17.1 U1#17.3 U1#18.1 U1#18.3 U1#19.1 U1#19.3 U1#20.1 U1#20.3 U1#21.1 U1#21.3 U1#22.1 U1#22.3 U1#23.1 U1#23.3 U1#24.1 U1#24.3 U1#25.1 U1#25.3 U1#26.1 U1#26.3 U1#27.1 U1#27.3 U1#28.1 U1#28.3 U1#29.1 U1#29.3 U1#30.1 U1#30.3 U1#31.1 U1#31.3 U1#32.1 U1#32.3 U1#33.1 U1#33.3 U1#34.1 U1#34.3 U1#35.1 U1#35.3 U1#36.1 U1#36.3 U1#37.1 U1#37.3 U1#38.1 U1#38.3 U1#39.1 U1#39.3 U1#40.1 U1#40.3
